# KiCad board stekeeb65_analog.kicad_pcb (continued)
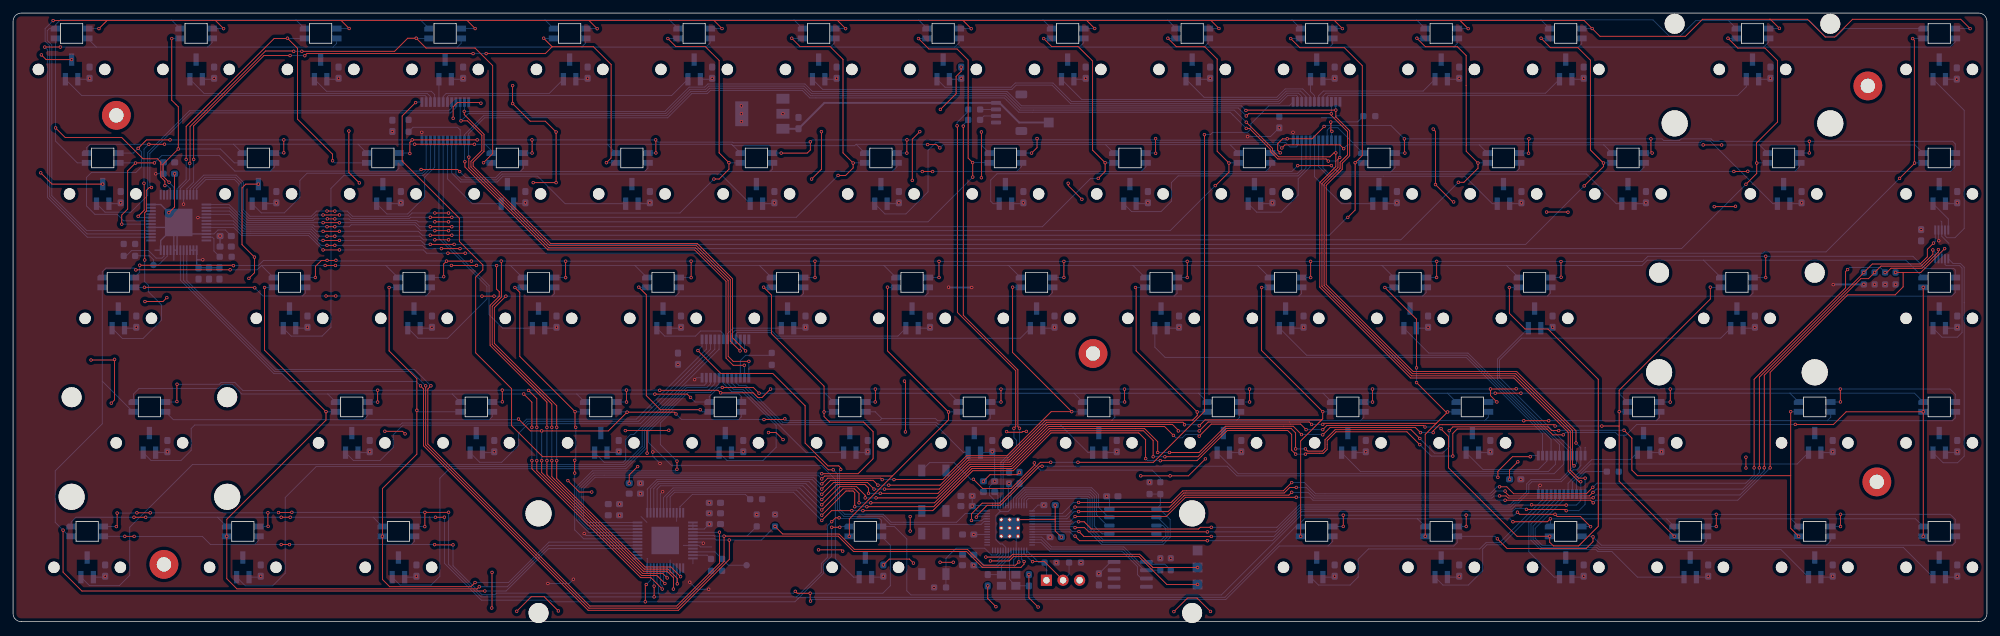
[diagram p0: board, top side]
## Routing (per net, layer and track width the routed paths; a pad name or vN(x,y) marks a point on that pad's centre or on a via; arc(x,y) is an arc through that point) (continued)
  Bottom w0.127: S16.2 18.4,71.71 v1(19.13,72.44) 19.63,71.94 19.63,69.59 18.78,68.74 11.98,68.74 11.23,67.99 11.23,63.63 12.51,62.34 15.93,62.34 16.93,61.34 IC5.7 ; v1(79.41,71.72) 79.41,71.71 S19.2 ; S22.2 136.74,71.71 v1(136.75,71.71) ; S29.2 274.81,71.71 v1(274.83,71.73) ; v1(98.35,71.73) 98.33,71.71 S20.2 ; v1(250.78,71.72) 250.78,71.71 S28.2 ; v1(212.95,71.71) 212.94,71.71 S26.2 ; S17.2 41.38,71.71 v1(41.42,71.75) ; S23.2 155.82,71.71 v1(155.83,71.71) ; v1(174.81,71.68) 174.77,71.71 S24.2 ; v1(117.52,71.71) 117.51,71.71 S21.2 ; S30.2 297.16,73.11 296.75,73.52 v1(274.83,73.52) 260.17,73.52 259.8,73.89 255.23,73.89 254.97,73.63 252.55,73.63 252.29,73.89 v1(250.59,73.89) v1(231.93,73.89) v1(212.87,73.89) 210.84,75.92 200.71,75.92 v1(200.58,75.79) ; v1(193.88,71.75) 193.84,71.71 S25.2 ; v1(61.07,73.73) v1(41.42,73.73) v1(24.02,73.73) ; v1(194.95,73.9) 194.74,73.69 175.05,73.69 v1(174.81,73.94) 174.61,73.74 156.86,73.74 v1(156.67,73.94) 156.46,73.73 v1(136.77,73.73) 122.27,73.73 v1(121.98,73.44) 121.83,73.29 110.17,73.29 110.07,73.39 98.66,73.39 v1(98.32,73.73) v1(79.39,73.73) v1(71.01,73.73) ; v1(231.87,71.69) 231.84,71.71 S27.2 ; S18.2 60.63,71.71 v1(60.71,71.64)
LED_Row_G2: length 401.6
  Top w0.127: v1(70.12,55.18) v1(66.32,55.18) 65.88,54.74 v1(65.88,52.8) ; v1(84.54,55.17) v1(84.54,52.65) ; v1(268.15,52.66) 268.16,52.67 v1(268.16,55.92) ; v1(82.43,29.74) 82.43,33.3 73.31,42.43 73.31,48.25 74.71,49.65 74.71,55.16 v1(74.69,55.18) ; v1(49.4,55.3) 49.39,55.29 v1(48.04,55.29) 47.18,55.29 46.25,54.36 v1(46.25,52.67) ; v1(82.43,24.64) 82.43,22.19 96.57,8.05 100.19,8.05 101.63,6.6 v1(101.63,5.79) ; v1(122.69,55.17) 122.69,52.67 v1(122.7,52.66) ; v1(160.78,55.14) v1(160.78,52.67) ; v1(236.85,52.71) 236.83,52.73 v1(236.83,55.11) ; v1(19.38,54.55) 33.66,54.55 v1(33.72,54.49) ; v1(103.74,55.17) v1(103.74,52.65) ; v1(198.52,55.14) 198.53,55.13 v1(198.53,52.66) ; v1(141.67,55.14) v1(141.67,52.67) ; v1(179.65,55.14) v1(179.65,52.67) ; v1(217.8,52.67) 217.81,52.68 v1(217.81,55.14)
  Bottom w0.127: v1(66.32,55.18) 66.3,55.2 49.5,55.2 v1(49.4,55.3) ; v1(48.04,55.29) 38.32,55.29 37.54,54.51 33.74,54.51 v1(33.72,54.49) ; v1(217.8,52.67) 217.79,52.66 S41.2 ; v1(82.43,24.64) v1(82.43,29.74) ; S39.2 179.64,52.66 v1(179.65,52.67) ; v1(198.53,52.66) 198.52,52.66 S40.2 ; v1(84.54,52.65) 84.52,52.66 S34.2 ; S43.2 268.15,52.66 v1(268.15,52.66) ; v1(236.85,52.71) 236.8,52.66 S42.2 ; v1(19.38,54.55) 19.38,53.5 S31.2 ; v1(65.88,52.8) 65.75,52.66 S33.2 ; v1(141.67,52.67) 141.66,52.66 S37.2 ; S38.2 160.77,52.66 v1(160.78,52.67) ; IC6.3 101.53,5.89 v1(101.63,5.79) ; S44.2 297.16,53.81 296.93,54.04 292.56,54.04 290.68,55.92 v1(268.16,55.92) 250.14,55.92 249.33,55.11 v1(236.83,55.11) 236.8,55.14 v1(217.81,55.14) v1(198.52,55.14) v1(179.65,55.14) v1(160.78,55.14) v1(141.67,55.14) 141.64,55.17 v1(122.69,55.17) v1(103.74,55.17) v1(84.54,55.17) 84.53,55.18 v1(74.69,55.18) v1(70.12,55.18) ; S32.2 46.24,52.66 v1(46.25,52.67) ; v1(103.74,52.65) 103.72,52.66 S35.2 ; v1(122.7,52.66) 122.69,52.66 S36.2
LED_Row_G3: length 364.2
  Top w0.127: v1(189.19,33.62) 189.18,33.63 v1(189.18,35.6) ; v1(25.07,33.68) 25.07,36.31 v1(25.09,36.33) ; v1(229.98,35.64) 229.95,35.61 v1(226.04,35.61) 226.04,34.6 v1(227.02,33.62) ; v1(170.07,33.62) 170.05,33.64 v1(170.05,35.59) ; v1(151.15,35.59) v1(151.15,33.61) ; v1(279.57,35.6) 279.57,33.65 v1(279.59,33.63) ; v1(55.78,35.42) v1(55.78,33.61) ; v1(74.87,33.64) 74.85,33.66 v1(74.85,35.44) ; v1(115.89,35.6) 114.58,34.29 113.97,34.29 113.24,35.02 v1(108.25,35.02) 107.86,35.41 v1(98.94,35.41) ; v1(93.84,35.44) 93.84,33.63 v1(93.86,33.61) ; v1(80.13,24.64) 80.13,23.1 96.17,7.07 98.5,7.07 v1(99.73,5.84) ; v1(253.54,33.61) 253.55,33.62 v1(253.55,35.6) ; v1(208,35.6) v1(208,33.61) ; v1(131.93,35.6) 131.93,33.64 v1(131.91,33.62) ; v1(80.13,29.74) 80.13,34.14 v1(78.88,35.39)
  Bottom w0.127: S55.2 227.02,33.61 v1(227.02,33.62) ; v1(80.13,29.74) v1(80.13,24.64) ; S48.2 93.85,33.61 v1(93.86,33.61) ; S53.2 189.19,33.61 v1(189.19,33.62) ; S52.2 170.06,33.61 v1(170.07,33.62) ; v1(131.91,33.62) 131.91,33.61 S50.2 ; v1(55.78,33.61) 55.77,33.61 S46.2 ; S54.2 207.99,33.61 v1(208,33.61) ; v1(98.94,35.41) 98.91,35.44 v1(93.84,35.44) 78.93,35.44 v1(78.88,35.39) 78.83,35.44 v1(74.85,35.44) 74.83,35.42 v1(55.78,35.42) 55.75,35.39 35.15,35.39 33.94,36.6 31.82,36.6 31.55,36.33 v1(25.09,36.33) ; v1(253.54,33.61) 253.53,33.61 S56.2 ; S45.2 25.01,33.61 v1(25.07,33.68) ; v1(108.25,35.02) 108.41,34.86 111.04,34.86 111.42,34.48 S49.2 ; v1(99.73,5.84) 99.53,6.04 IC6.7 ; v1(229.98,35.64) 253.51,35.64 v1(253.55,35.6) v1(279.57,35.6) 296.36,35.6 297.16,34.8 S58.2 ; v1(226.04,35.61) 226.03,35.6 v1(208,35.6) v1(189.18,35.6) 189.17,35.59 v1(170.05,35.59) v1(151.15,35.59) 151.14,35.6 v1(131.93,35.6) 131.93,35.6 v1(115.89,35.6) ; S57.2 279.58,33.61 v1(279.59,33.63) ; S47.2 74.84,33.61 v1(74.87,33.64) ; v1(151.15,33.61) 151.14,33.61 S51.2
LED_Row_G4: length 353.5
  Top w0.127: v1(15.92,16.62) 15.92,14.67 v1(15.8,14.55) ; v1(98.08,5.44) v1(98.08,3.79) ; v1(260.59,16.42) v1(260.59,14.56) ; v1(38.99,16.66) 38.99,14.62 v1(39.02,14.59) ; v1(42.65,16.73) 42.62,16.7 v1(40.61,16.7) ; v1(279.6,16.43) v1(279.6,14.56) ; v1(230.17,16.75) 230.49,16.43 v1(235.92,16.43) 236.24,16.11 239.79,16.11 v1(241.36,14.54) ; v1(222.33,14.56) 222.33,16.3 v1(222.32,16.31) ; v1(203.52,16.3) v1(203.52,14.57) ; v1(18.95,16.66) v1(20.98,16.66) ; v1(63,14.55) 63.01,14.56 v1(63.01,16.73) 66.62,16.73 v1(66.63,16.74) ; v1(125.25,15.31) 125.83,15.89 v1(126.38,15.89)
  Bottom w0.127: v1(241.36,14.54) 241.34,14.56 S65.2 ; IC6.10 98.03,5.49 v1(98.08,5.44) ; v1(63,14.55) 62.98,14.56 S61.2 ; v1(39.02,14.59) 38.99,14.56 S60.2 ; S68.2 297.16,15.64 296.37,16.43 v1(279.6,16.43) 279.59,16.42 v1(260.59,16.42) 260.58,16.43 v1(235.92,16.43) ; v1(125.25,15.31) 124.61,14.67 124.61,9.85 123.66,8.91 123.66,7.55 119.91,3.79 v1(98.08,3.79) 71.61,3.79 66.64,8.76 66.64,16.73 v1(66.63,16.74) ; v1(18.95,16.66) 18.91,16.62 v1(15.92,16.62) ; 220.96,14.56 222.33,14.56 v1(222.33,14.56) ; S63.2 203.51,14.56 v1(203.52,14.57) ; v1(63.01,16.73) 63.01,16.73 v1(42.65,16.73) ; S66.2 260.59,14.56 v1(260.59,14.56) ; v1(15.8,14.55) 15.79,14.56 S59.2 ; v1(279.6,14.56) 279.6,14.56 S67.2 ; v1(230.17,16.75) 229.73,16.31 v1(222.32,16.31) 222.31,16.3 v1(203.52,16.3) 197.08,16.3 184.87,4.09 137.38,4.09 136.74,4.73 136.74,12.65 134.82,14.56 S62.2 132.85,15.53 132.59,15.79 126.48,15.79 v1(126.38,15.89) ; v1(20.98,16.66) v1(38.99,16.66) 40.57,16.66 v1(40.61,16.7)
LED_Row_R0: length 357.3
  Top w0.127: v1(7.23,87.94) v1(4.84,87.94)
  Bottom w0.127: 220.96,89.26 220.96,88.47 220.41,87.93 ; S7.3 125.7,88.59 125.04,87.93 ; 29.76,87.93 30.45,88.62 S2.3 ; 29.76,87.93 12.74,87.93 ; 29.76,87.93 48.94,87.93 ; 239.5,87.93 240,88.43 S13.3 ; 239.5,87.93 267.86,87.93 ; 239.5,87.93 220.41,87.93 ; S9.3 163.8,88.6 163.13,87.93 ; 86.99,87.93 106.01,87.93 ; 86.99,87.93 87.6,88.54 S5.3 ; 86.99,87.93 67.98,87.93 ; 106.01,87.93 106.66,88.57 106.66,89.26 ; 106.01,87.93 125.04,87.93 ; 163.13,87.93 182.23,87.93 ; 163.13,87.93 144.07,87.93 ; 182.23,87.93 182.85,88.55 S10.3 ; 182.23,87.93 201.44,87.93 ; 267.86,87.93 296.35,87.93 297.16,88.73 S15.3 ; 267.86,87.93 267.86,87.97 268.58,88.69 S14.3 ; 67.98,87.93 68.56,88.5 S4.3 ; 67.98,87.93 48.94,87.93 ; v1(7.23,87.94) 7.24,87.93 12.74,87.93 ; 201.44,87.93 201.91,88.39 S11.3 ; 201.44,87.93 220.41,87.93 ; 125.04,87.93 144.07,87.93 ; IC5.2 11.36,58.84 5.28,64.92 5.28,87.5 v1(4.84,87.94) ; S3.3 49.51,88.49 48.94,87.93 ; 12.74,87.93 11.4,89.26 ; 144.75,89.26 144.75,88.61 144.07,87.93
LED_Row_R1: length 320.7
  Top w0.127: v1(68.33,68.89) 68.02,69.2 v1(62.43,69.2) ; v1(21.63,70.21) 18.75,70.21 v1(18.73,70.19) 17.53,68.99 17.53,63.14 16.63,62.24 v1(16.63,60.84) ; v1(263.28,68.9) 265.38,68.9 v1(265.41,68.93) ; v1(139.12,68.89) v1(140.69,68.89) ; v1(196.54,69.79) v1(201.7,69.79)
  Bottom w0.127: S21.3 116.18,69.25 115.81,68.88 ; v1(62.43,69.2) 62.18,68.95 58.62,68.95 ; 134.48,68.88 135.23,69.64 S22.3 ; 134.48,68.88 134.48,68.89 v1(139.12,68.89) ; 134.48,68.88 115.81,68.88 ; S23.3 154.28,69.64 153.53,68.89 ; 39.34,68.95 33.94,68.95 31.53,71.36 22.78,71.36 v1(21.63,70.21) ; 39.34,68.95 39.98,69.59 S17.3 ; 39.34,68.95 58.62,68.95 ; 96.61,68.88 115.81,68.88 ; 96.61,68.88 97.13,69.4 S20.3 ; 96.61,68.88 77.56,68.88 ; 210.82,68.88 229.66,68.88 ; 210.82,68.88 211.43,69.49 S26.3 ; 210.82,68.88 210.77,68.83 202.66,68.83 v1(201.7,69.79) ; 229.66,68.88 248.71,68.88 ; 229.66,68.88 229.99,68.88 230.48,69.37 S27.3 ; S25.3 192.38,69.64 191.65,68.91 ; 172.6,68.91 191.65,68.91 ; 172.6,68.91 167.7,68.91 167.68,68.89 153.53,68.89 ; 172.6,68.91 173.33,69.64 S24.3 ; 191.65,68.91 195.66,68.91 v1(196.54,69.79) ; 58.62,68.95 59.03,69.36 S18.3 ; 272.63,68.93 273.34,69.64 S29.3 ; 272.63,68.93 v1(265.41,68.93) ; 272.63,68.93 296.45,68.93 297.16,69.64 S30.3 ; S16.3 18.7,70.21 v1(18.73,70.19) ; 248.71,68.88 248.86,68.88 249.53,69.55 S28.3 ; 248.71,68.88 263.26,68.88 v1(263.28,68.9) ; S19.3 78.08,69.4 77.56,68.88 ; v1(140.69,68.89) 153.53,68.89 ; v1(68.33,68.89) 69.28,67.94 73.81,67.94 74.75,68.88 77.56,68.88 ; v1(16.63,60.84) IC5.6
LED_Row_R2: length 357.8
  Top w0.127: v1(71.74,49.82) v1(73.59,49.82) ; v1(75.4,49.82) 73.63,48.05 73.63,42.59 83.18,33.04 v1(83.18,29.74) ; v1(36.98,51.09) 36.9,51.17 v1(20.1,51.17) ; v1(83.18,24.64) 83.18,21.9 96.71,8.37 100.65,8.37 v1(102.13,6.89) ; v1(47.88,49.84) v1(49.37,49.84)
  Bottom w0.127: S42.3 235.24,50.3 234.76,49.82 ; 139.53,49.82 139.99,50.28 S37.3 ; 139.53,49.82 158.5,49.82 ; 139.53,49.82 120.55,49.82 ; 177.66,49.82 178.09,50.25 S39.3 ; 177.66,49.82 158.5,49.82 ; 177.66,49.82 196.75,49.82 ; 82.46,49.82 101.36,49.82 ; 82.46,49.82 v1(75.4,49.82) v1(73.59,49.82) ; 82.46,49.82 82.84,50.2 S34.3 ; 101.36,49.82 120.55,49.82 ; 101.36,49.82 101.89,50.35 S35.3 ; 44.27,49.84 v1(47.88,49.84) ; 44.27,49.84 44.74,50.31 S32.3 ; 44.27,49.84 38.23,49.84 v1(36.98,51.09) ; v1(20.1,51.17) 20.09,51.16 S31.3 ; v1(71.74,49.82) 71.72,49.84 63.16,49.84 ; 158.5,49.82 159.04,50.36 S38.3 ; IC6.2 102.03,7.28 102.13,7.18 v1(102.13,6.89) ; 265.75,49.82 266.2,50.27 S43.3 ; 265.75,49.82 296.6,49.82 297.16,50.38 S44.3 ; 265.75,49.82 234.76,49.82 ; 215.66,49.82 234.76,49.82 ; 215.66,49.82 216.19,50.36 S41.3 ; 215.66,49.82 196.75,49.82 ; 196.75,49.82 197.14,50.21 S40.3 ; 120.55,49.82 120.94,50.21 S36.3 ; S33.3 63.79,50.47 63.16,49.84 ; v1(49.37,49.84) 63.16,49.84 ; v1(83.18,24.64) v1(83.18,29.74)
LED_Row_R3: length 331.8
  Top w0.127: v1(100.08,6.69) 99.38,7.39 96.3,7.39 80.88,22.81 v1(80.88,24.64) ; v1(114.89,30.93) 117.97,30.93 v1(118.08,31.04) ; v1(77.33,31.01) 79.15,29.19 v1(80.88,29.19) 91.07,29.19 v1(93.94,32.06) 101.16,32.06 v1(101.43,31.79) ; v1(231.14,30.75) v1(234.95,30.75)
  Bottom w0.127: 251.4,30.75 251.91,31.26 S56.3 ; 251.4,30.75 v1(234.95,30.75) ; 251.4,30.75 277.56,30.75 ; S51.3 149.52,31.14 149.14,30.76 ; S47.3 73.32,31.39 72.84,30.91 ; 206.15,30.76 225.16,30.76 ; 206.15,30.76 206.67,31.28 S54.3 ; 206.15,30.76 187.16,30.76 ; 225.16,30.76 225.72,31.32 S55.3 ; 225.16,30.76 231.13,30.76 v1(231.14,30.75) ; v1(118.08,31.04) 118.33,30.79 132.61,30.79 132.92,31.1 ; v1(101.43,31.79) 102.29,30.93 111.01,30.93 ; 72.84,30.91 77.23,30.91 v1(77.33,31.01) ; 72.84,30.91 53.63,30.91 ; 53.63,30.91 24.52,30.91 S45.3 ; 53.63,30.91 54.27,31.55 S46.3 ; S48.3 93.88,32.11 v1(93.94,32.06) ; S53.3 187.62,31.26 187.64,31.24 187.16,30.76 ; S52.3 168.57,31.29 168.58,31.28 168.06,30.76 ; 168.06,30.76 187.16,30.76 ; 168.06,30.76 149.14,30.76 ; S57.3 278.11,31.29 277.56,30.75 ; 149.14,30.76 141.44,30.76 141.1,31.1 132.92,31.1 ; 111.01,30.93 v1(114.89,30.93) ; 111.01,30.93 111.42,31.34 S49.3 ; v1(80.88,24.64) v1(80.88,29.19) ; 132.92,31.1 131.91,32.11 S50.3 ; 277.56,30.75 296.72,30.75 297.16,31.18 S58.3 ; v1(100.08,6.69) 100.03,6.74 IC6.6
LED_Row_R4: length 333.6
  Top w0.127: v1(119.68,4.64) 119.97,4.35 v1(121.95,4.35) 121.95,3.21 v1(122.01,3.15) ; v1(17.09,13.06) 18.51,13.06 v1(18.52,13.05) ; v1(67.31,11.75) 64.53,11.75 v1(64.49,11.79) ; v1(41.02,11.8) v1(42.29,11.8) ; v1(241.73,12.98) 241.73,12.25 240.67,11.19 228.59,11.19 v1(227.1,12.68)
  Bottom w0.127: S68.3 297.16,12.11 296.74,11.7 277.43,11.7 ; 258.21,11.7 258.49,11.7 259.06,12.26 S66.3 ; 258.21,11.7 277.43,11.7 ; 258.21,11.7 243.01,11.7 v1(241.73,12.98) 241.65,13.06 S65.3 ; S67.3 278.11,12.38 277.43,11.7 ; 98.71,4.36 119.4,4.36 v1(119.68,4.64) ; 98.71,4.36 73.95,4.36 73.71,4.12 71.75,4.12 67.31,8.55 v1(67.31,11.75) ; 98.71,4.36 98.73,4.39 98.73,5.59 98.53,5.79 IC6.9 ; S61.3 61.41,12.3 60.91,11.8 ; v1(227.1,12.68) 226.72,13.06 220.96,13.06 220.96,12.09 220.44,11.58 201.19,11.58 ; 201.19,11.58 201.91,12.29 S63.3 ; 201.19,11.58 193.73,11.58 185.56,3.4 122.26,3.4 v1(122.01,3.15) ; v1(18.52,13.05) 28.96,13.05 30.21,11.8 36.93,11.8 ; v1(17.09,13.06) 17.09,13.06 S59.3 ; 36.93,11.8 37.6,12.47 S60.3 ; 36.93,11.8 v1(41.02,11.8) ; v1(121.95,4.35) 133.08,4.35 134.23,5.5 134.22,5.51 134.22,11.7 S62.3 ; 60.91,11.8 64.48,11.8 v1(64.49,11.79) ; 60.91,11.8 v1(42.29,11.8)
LED_SCL: length 176
  Top w0.127: v1(116.58,14.58) 117.74,13.42 126.37,13.42 128.72,11.07 146.02,11.07 148.44,8.64 153.38,8.64 v1(153.88,9.14) ; v1(62.33,36.09) 62.8,35.62 62.8,26.92 87.98,1.74 101.79,1.74 109.58,9.53 v1(109.58,12.49)
  Bottom w0.127: U70.18 153.87,9.15 v1(153.88,9.14) ; IC6.42 107.39,12.68 107.58,12.49 v1(109.58,12.49) 114.49,12.49 v1(116.58,14.58) ; v1(62.33,36.09) 61.66,36.76 42.34,36.76 41.15,37.96 39.91,37.96 25.59,52.28 IC5.42
LED_SDA: length 181
  Top w0.127: v1(63.13,36.09) 63.13,27.05 88.12,2.06 101.65,2.06 108.78,9.19 v1(108.78,13.09) 126.23,13.09 128.58,10.74 145.88,10.74 148.31,8.31 154.2,8.31 154.68,8.79 v1(154.68,9.19)
  Bottom w0.127: v1(63.13,36.09) 60.94,38.28 40.05,38.28 26.09,52.24 IC5.41 ; R2.2 112.29,13.09 v1(108.78,13.09) 107.33,13.09 107.24,13.18 IC6.41 ; v1(154.68,9.19) 154.27,9.6 U70.17
MUX_SEL0: length 383.4
  Top w0.127: v1(183.33,14.44) 181.64,14.44 181.39,14.18 164.99,14.18 163.88,15.29 v1(163.03,15.29) ; v1(111.23,41.44) 109.73,42.94 109.73,52.36 104.55,57.54 82.1,57.54 70.06,69.59 70.06,70.44 71.73,72.11 71.73,74.44 69.53,76.64 v1(68.53,76.64) ; v1(238.83,23.84) 238.58,24.09 238.58,29.29 229.93,37.94 214.1,37.94 200.58,51.46 200.58,66.92 203.03,69.37 203.03,70.29 204.18,71.44 204.18,74.99 201.68,77.49 v1(201.68,77.74) 189.03,77.74 v1(188.68,77.39)
  Bottom w0.127: U70.6 162.13,14.94 162.48,15.29 v1(163.03,15.29) ; 239.22,25.41 239.22,24.22 v1(238.83,23.84) 236.73,21.74 232.23,21.74 231.58,21.09 231.58,19.88 230.19,18.49 229.62,18.49 229,17.87 196.8,17.87 193.37,14.44 v1(183.33,14.44) ; IC4.10 111.26,41.47 v1(111.23,41.44) ; 68.41,79.52 68.41,76.76 v1(68.53,76.64) 69.65,77.76 99.87,77.76 103.58,81.48 105.95,81.48 106.44,81.96 121.02,81.96 122.17,80.81 151.95,80.81 154.14,78.62 187.45,78.62 v1(188.68,77.39) ; IC2.10 201.71,77.77 v1(201.68,77.74)
MUX_SEL1: length 381.7
  Top w0.127: v1(162.48,14.39) 163.93,14.39 164.58,13.74 v1(182.73,13.74) ; v1(239.13,27.34) 239.13,29.2 230.06,38.27 214.24,38.27 200.91,51.6 200.91,66.78 203.36,69.23 203.36,70.16 204.51,71.3 204.51,75.13 202.38,77.25 v1(202.38,78.29) 188.68,78.29 v1(188.63,78.24) ; v1(112.08,41.44) 110.06,43.45 110.06,52.5 104.69,57.87 82.24,57.87 70.38,69.72 70.38,70.3 72.06,71.98 72.06,74.58 69.03,77.6 v1(69.03,78.09)
  Bottom w0.127: v1(239.13,27.34) 239.86,26.6 IC3.11 239.86,23.88 239.23,23.24 238.69,23.24 236.87,21.41 232.37,21.41 231.91,20.96 231.91,19.75 230.33,18.17 229.76,18.17 229.13,17.54 196.94,17.54 193.13,13.74 v1(182.73,13.74) ; v1(188.63,78.24) 187.93,78.94 154.28,78.94 152.08,81.14 122.31,81.14 121.15,82.29 106.31,82.29 105.82,81.8 103.44,81.8 99.73,78.09 v1(69.03,78.09) 69.06,78.11 IC1.11 ; v1(112.08,41.44) 111.91,41.6 IC4.11 ; v1(162.48,14.39) 162.33,14.54 U70.7 ; v1(202.38,78.29) 202.36,78.31 IC2.11
MUX_SEL2: length 379
  Top w0.127: v1(69.13,70.39) 69.13,69.59 81.83,56.89 104.28,56.89 109.08,52.09 109.08,40.34 110.18,39.24 v1(111.88,39.24) ; v1(163.08,13.79) 163.83,13.04 v1(183.33,13.04) ; v1(188.68,76.44) 192.68,72.44 192.68,72.09 193.63,71.14 201.48,71.14 202.08,71.74 v1(202.38,71.74) 202.38,69.64 199.93,67.19 199.93,51.19 213.83,37.29 229.63,37.29 237.93,28.99 237.93,23.06 239.58,21.41 v1(239.85,21.41) ; v1(237.63,17.84) 232.38,17.84 v1(232.33,17.89)
  Bottom w0.127: v1(183.33,13.04) 192.9,13.04 197.07,17.22 229.29,17.22 229.92,17.84 232.28,17.84 v1(232.33,17.89) ; v1(188.68,76.44) 186.83,78.29 154.01,78.29 151.81,80.48 122.04,80.48 120.88,81.64 106.58,81.64 106.08,81.14 103.7,81.14 100,77.44 71.99,77.44 69.06,74.51 IC1.14 69.06,70.46 v1(69.13,70.39) ; v1(202.38,71.74) 202.36,71.76 IC2.14 ; v1(237.63,17.84) 239.18,17.84 239.86,18.52 IC3.14 239.86,21.4 v1(239.85,21.41) ; v1(163.08,13.79) 162.08,13.79 161.73,14.14 U70.8 ; v1(111.88,39.24) 111.91,39.2 IC4.14
MUX_SEL3: length 381.8
  Top w0.127: v1(231.55,17.18) 237.44,17.18 v1(237.63,16.99) ; v1(240.53,21.96) 239.5,21.96 238.26,23.21 238.26,29.13 229.77,37.62 213.97,37.62 200.26,51.33 200.26,67.05 202.71,69.5 202.71,70.77 v1(202.98,71.04) ; v1(188.68,75.49) 189.17,75.49 192.35,72.3 192.35,71.95 193.49,70.81 200.91,70.81 v1(201.23,70.49) ; v1(112.58,39.84) 110.18,39.84 109.41,40.61 109.41,52.23 104.42,57.22 81.97,57.22 69.73,69.45 v1(69.73,71.09) ; v1(182.73,12.39) 163.18,12.39 v1(162.48,13.09)
  Bottom w0.127: v1(162.48,13.09) 162.32,13.09 161.67,13.74 U70.9 ; v1(237.63,16.99) 239.55,16.99 240.52,17.95 240.52,21.95 v1(240.53,21.96) ; v1(201.23,70.49) 202.43,70.49 v1(202.98,71.04) 203.01,71.07 IC2.13 ; v1(231.55,17.18) 231.38,17.34 229.88,17.34 229.43,16.89 197.21,16.89 192.71,12.39 v1(182.73,12.39) ; IC4.13 112.56,39.82 v1(112.58,39.84) ; v1(69.73,71.09) 69.7,71.11 69.7,74.69 72.12,77.11 100.15,77.11 100.48,77.44 100.48,77.45 103.84,80.81 106.21,80.81 106.71,81.31 120.75,81.31 121.9,80.16 151.68,80.16 153.87,77.96 186.21,77.96 v1(188.68,75.49)
SPI0_CS: length 168.4
  Top w0.127: v1(228.28,19.99) 228.28,19.85 228.89,19.24 241.18,19.24 v1(241.73,19.79) ; v1(162.48,17.54) 176.96,17.54 179.11,19.69 194.48,19.69 195.33,20.54 v1(196.33,20.54) ; v1(267.18,23.54) 267.18,37.43 283.17,53.42 v1(283.17,53.44) 284.47,54.74 291.8,54.74 292.88,55.83 292.88,56.99 v1(293.83,57.94)
  Bottom w0.127: v1(293.83,57.94) 294.09,58.2 IC7.1 ; U70.3 161.08,16.14 v1(162.48,17.54) ; v1(228.28,19.99) 226.87,19.99 226.12,19.24 199.15,19.24 197.85,20.54 v1(196.33,20.54) ; v1(267.18,23.54) 267.18,22.81 264.66,20.29 242.23,20.29 v1(241.73,19.79)
SPI0_MISO: length 170
  Top w0.127: v1(286.42,53.44) 286.68,53.44 287.33,54.09 292.07,54.09 294.58,56.6 v1(294.58,56.94) ; v1(280.68,53.89) 280.38,53.59 280.38,51.09 266.38,37.09 v1(266.38,23.54) ; v1(227.43,20.64) 228.53,20.64 229.6,19.57 240.71,19.57 v1(241.71,20.56) ; v1(163.03,18.24) 177.19,18.24 178.97,20.02 194.35,20.02 195.62,21.29 v1(195.63,21.29)
  Bottom w0.127: v1(195.63,21.29) 197.57,21.29 199.29,19.57 225.99,19.57 227.06,20.64 v1(227.43,20.64) ; v1(280.68,53.89) 280.98,54.19 285.67,54.19 v1(286.42,53.44) ; v1(266.38,23.54) 266.38,22.48 265.09,21.19 242.33,21.19 v1(241.71,20.56) ; v1(294.58,56.94) 294.59,56.93 IC7.9 ; v1(163.03,18.24) 162.23,18.24 160.53,16.54 U70.2
SPI0_MOSI: length 170.4
  Top w0.127: v1(241.75,18.19) 241.35,18.59 v1(228.28,18.59) ; v1(196.33,19.04) 179.38,19.04 176.43,16.09 v1(162.48,16.09) ; v1(268.83,23.54) 268.83,38.15 280.69,50.01 287.95,50.01 289.18,51.24 289.18,53.44 ; v1(295.53,57.09) 291.88,53.44 289.18,53.44 ; 289.18,53.44 v1(288.02,53.44)
  Bottom w0.127: v1(295.53,57.09) 295.09,56.65 IC7.8 ; v1(268.83,23.54) 263.88,18.59 242.16,18.59 v1(241.75,18.19) ; v1(162.48,16.09) 161.73,15.34 U70.5 ; v1(228.28,18.59) 198.88,18.59 198.43,19.04 v1(196.33,19.04)
SPI0_SCLK: length 166.3
  Top w0.127: v1(195.63,19.79) 195.21,19.37 179.24,19.37 176.72,16.84 v1(163.03,16.84) ; v1(241.75,18.96) 241.71,18.92 228.75,18.92 228.43,19.24 v1(227.43,19.24) ; v1(267.93,23.54) 267.93,37.72 282.7,52.49 283.87,52.49 v1(284.82,53.44) 285.79,54.42 291.93,54.42 293.73,56.21 v1(293.73,56.89)
  Bottom w0.127: v1(267.93,23.54) 267.93,23.1 264.22,19.39 242.18,19.39 v1(241.75,18.96) ; v1(227.43,19.24) 226.58,19.24 226.26,18.92 199.02,18.92 198.14,19.79 v1(195.63,19.79) ; IC7.10 294.09,56.53 v1(293.73,56.89) ; v1(163.03,16.84) 162.33,16.84 161.23,15.74 U70.4
SW_1: length 57.1
  Bottom w0.127: 63.2,79.52 63.2,80.36 63.04,80.52 10.5,80.52 U1.2
SW_2: length 38.7
  Bottom w0.127: IC1.3 63.85,80.36 63.37,80.85 29.22,80.85 U2.2
SW_3: length 20.5
  Bottom w0.127: U3.2 47.95,81.17 63.99,81.17 64.5,80.65 IC1.4
SW_4: length 3.5
  Bottom w0.127: U4.2 IC1.5
SW_5: length 20.4
  Bottom w0.127: IC1.6 65.81,80.38 66.27,80.85 82.04,80.85 84.2,83.01
SW_6: length 38.7
  Bottom w0.127: IC1.7 66.45,80.36 66.62,80.52 100.76,80.52 U6.2
SW_7: length 77.7
  Bottom w0.127: IC2.2 196.51,80.41 196.37,80.55 195.04,80.55 193.76,79.27 161.81,79.27 158.97,82.11 153.48,82.11 152.83,81.46 123.86,81.46 122.3,83.01
SW_8: length 59.3
  Bottom w0.127: IC2.3 197.16,80.39 196.67,80.88 194.9,80.88 193.62,79.6 161.95,79.6 159.1,82.44 153.34,82.44 152.69,81.79 142.58,81.79 U8.2
SW_9: length 40.4
  Bottom w0.127: U9.2 163.5,79.92 193.49,79.92 194.77,81.2 196.99,81.2 197.81,80.39 IC2.4
SW_10: length 22
  Bottom w0.127: IC2.5 198.46,80.39 197.32,81.53 194.63,81.53 193.35,80.25 182.22,80.25 U10.2
SW_11: length 3.7
  Bottom w0.127: U11.2 198.5,81.12 199.11,80.52 IC2.6
SW_12: length 19.8
  Bottom w0.127: U12.2 215.74,81.2 200.47,81.2 199.76,80.49 IC2.7
SW_13: length 38.1
  Bottom w0.127: IC2.8 200.41,80.41 200.87,80.88 234.47,80.88 U13.2
SW_14: length 66.7
  Bottom w0.127: U14.2 265.18,81.85 263.88,80.55 201.22,80.55 201.06,80.39 IC2.9
SW_15: length 29.3
  Bottom w0.127: IC7.4 295.59,59.06 295.89,58.76 297.11,58.76 298.52,60.17 298.52,78.25 U15.2
SW_16: length 66.2
  Bottom w0.127: IC1.8 67.1,78.65 66.64,78.19 26.99,78.19 20.6,71.8 20.6,65.25 18.02,62.67 14.06,62.67 U16.2
SW_17: length 35.9
  Bottom w0.127: U17.2 37.98,62.56 41.49,62.56 43.88,64.95 43.88,67.53 44.97,68.63 62.63,68.63 63.2,69.2 63.2,73.64
SW_18: length 18.4
  Bottom w0.127: IC1.21 64.5,69.54 62.98,68.02 62.98,65 60.37,62.39 57.2,62.39 U18.2
SW_19: length 15.7
  Bottom w0.127: U19.2 70.26,63.96 66.45,67.77 IC1.18
SW_20: length 34.3
  Bottom w0.127: U20.2 84.47,63.96 80.25,68.18 74.97,68.18 74.08,67.29 68.48,67.29 67.1,68.66 IC1.17
SW_21: length 52.8
  Bottom w0.127: U21.2 108.24,68.5 74.83,68.5 73.94,67.62 68.62,67.62 67.75,68.48 IC1.16
SW_22: length 74.7
  Bottom w0.127: U22.2 133.39,62.4 136.6,62.4 139.99,65.79 139.99,72.12 141.19,73.33 194.72,73.33 195.38,72.66 196.33,72.66 196.51,72.83 IC2.23
SW_23: length 57.4
  Bottom w0.127: IC2.22 197.16,69.23 196.47,68.55 150.54,68.55 149.58,67.59 149.58,64.34 149.95,63.96 U23.2
SW_24: length 37.1
  Bottom w0.127: U24.2 171.14,62.75 175.63,62.75 177.22,64.34 177.22,67.18 178.26,68.22 196.61,68.22 197.81,69.42 IC2.21
SW_25: length 18.4
  Bottom w0.127: U25.2 190.27,62.67 194,62.67 196.62,65.29 196.62,67.77 198.46,69.61 IC2.20
SW_26: length 16.2
  Bottom w0.127: IC2.19 199.11,68.1 203.24,63.96 U26.2
SW_27: length 33.7
  Bottom w0.127: U27.2 226.31,63.96 222.11,68.17 209.64,68.17 209.63,68.18 201.21,68.18 199.76,69.63 IC2.18
SW_28: length 52.2
  Bottom w0.127: IC2.17 200.41,69.44 201.34,68.5 240.75,68.5 243.26,65.99 243.26,65.99 245.28,63.96 U28.2
SW_29: length 75.6
  Bottom w0.127: U29.2 269.25,63.96 259.66,73.56 258.39,73.56 258.13,73.3 204.98,73.3 202.69,75.59 201.43,75.59 201.06,75.22 IC2.16
SW_30: length 5
  Bottom w0.127: IC7.5 296.09,61.63 U30.2
SW_31: length 87.3
  Top w0.127: v1(20.14,55.35) 20.14,62.59 20.39,62.84 20.39,66 20.83,66.44 v1(21.18,66.44)
  Bottom w0.127: U31.2 16.71,43.35 19.9,43.35 22.71,46.16 22.71,48.48 20.71,50.48 20.71,51.46 20.14,52.03 v1(20.14,55.35) ; v1(21.18,66.44) 21.18,66.54 20.93,66.79 20.93,71.67 27.13,77.86 66.94,77.86 67.75,78.68 IC1.9
SW_32: length 50.4
  Bottom w0.127: U32.2 42.56,43.7 47.29,43.7 48.64,45.05 48.64,66.31 50.63,68.3 62.77,68.3 63.85,69.38 IC1.22
SW_33: length 42.5
  Bottom w0.127: U33.2 60.41,44.91 61.95,43.38 66.49,43.38 72.5,49.39 72.5,51.31 65.16,58.65 IC1.20
SW_34: length 37
  Bottom w0.127: IC1.19 65.81,58.46 72.83,51.44 72.83,46.99 74.91,44.91 U34.2
SW_35: length 12
  Bottom w0.127: U35.2 99.71,43.7 104.41,43.7 105.19,44.48 108.23,44.48 108.66,44.05 IC4.6
SW_36: length 9.4
  Bottom w0.127: 109.31,43.21 109.31,44.07 110.16,44.91 U36.2
SW_37: length 28.6
  Bottom w0.127: U37.2 135.38,43.7 116.88,43.7 115.99,44.59 110.48,44.59 109.97,44.07 IC4.8
SW_38: length 47
  Bottom w0.127: IC4.9 110.61,44.07 110.8,44.26 115.86,44.26 116.74,43.38 154.1,43.38 U38.2
SW_39: length 71.1
  Bottom w0.127: U39.2 174.69,42.01 176.25,40.45 222.33,40.45 234.02,28.76 234.02,25.41
SW_40: length 51.1
  Bottom w0.127: U40.2 193.77,44.91 197.9,40.78 222.46,40.78 235.31,27.92 IC3.4
